# Altium PCB UPS电路3.PcbDoc (continued)
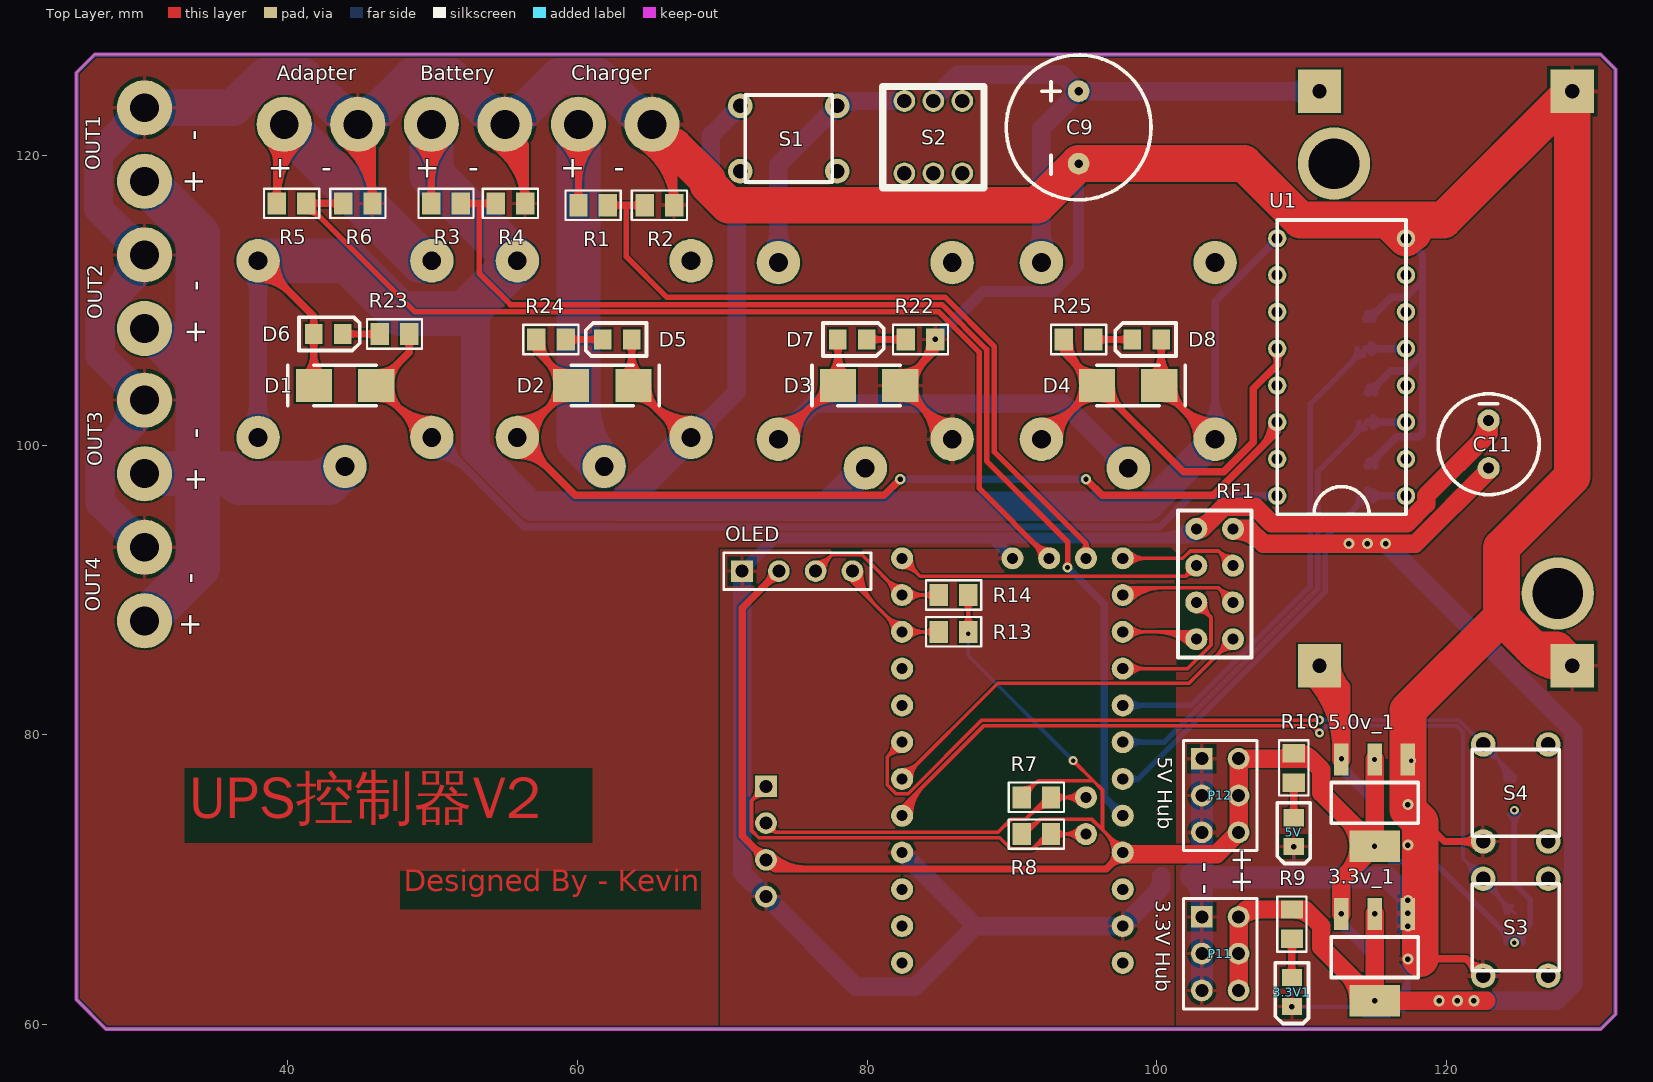
[diagram p0: Top Layer view]
## Nets (pads, with @x,y where several pads share a name; then routed paths per layer and width w, separated by ;. In a path a pad name is that pad's centre, name@x,y a point inside that pad or via, vN(x,y) a via of type N, cw(c..) or ccw(c..) an arc to the next point about the centre after c; other vN are vias at no path point) (continued)
  Top Layer w2.54: 66.675,120.65 69,118.325 69,118.013 70.427,116.586 91.741,116.586 C9.2 106.045,119.46 109.942,115.563 115.958,115.563 ; 115.705,115.563 cw(c115.705,112.784) 117.67,114.749 ; 116.772,114.749 cw(c118.737,112.784) 118.737,115.563 ; U1.8 115.958,115.563 ; 118.209,64.544 118.209,73.99 117.362,74.837 117.362,75.17 5.0v_1.1 117.362,81.703 123.817,88.158 ; 125.74,86.234 ccw(c128.715,89.209) M1.4@128.715,85.002 ; M1.4@128.528,84.637 ccw(c126.1,82.874) 126.1,85.875 ; M1.4@128.684,85 cw(c128.276,88.051) 126.1,85.875 ; M1.4 127.612,85.875 126.1,85.875 ; 115.958,115.563 cw(c115.958,113.344) 117.727,114.683 ccw(c115.958,113.344) 115.958,115.563 ; 115.958,115.563 119.817,115.563 M1.2 128.714,97.853 123.817,92.956 123.817,88.158 ; 123.817,88.158 126.1,85.875
  Bottom Layer w0.254: v1@109.294,72.083 cw(c108.861,71.65) 109.474,71.65 cw(c110.087,71.65) v1@109.654,72.083 ; v1(109.347,61.214) 113.687,61.214 114.322,60.579 116.078,60.579 ; 109.474,70.168 v1(109.474,72.263) ; v1@109.527,61.034 cw(c109.96,60.601) 109.96,61.214 cw(c109.96,61.827) v1@109.527,61.394 ; 116.317,60.818 ccw(c115.666,61.468) C10.1@116.586,61.468 ; C10.1@116.483,60.984 cw(c117.042,60.425) C10.1@117.081,61.214 ; C10.1@117.069,60.961 ccw(c117.003,59.654) 116.078,60.579 ; C10.1 116.078,60.579
  Bottom Layer w0.381: C10.1@116.78,62.036 ccw(c115.408,63.408) 117.348,63.408 ; C3.1@117.034,64.075 cw(c116.275,63.316) 117.348,63.316 cw(c118.421,63.316) C3.1@117.662,64.075 ; C10.1@117.049,61.767 ccw(c116.327,62.489) 117.348,62.489 ; C3.1@117.213,64.381 cw(c116.888,64.056) 117.348,64.056 cw(c117.808,64.056) C3.1@117.483,64.381 ; C10.1@117.348,61.849 v1(117.348,64.516)
  Bottom Layer w0.508: R18.1 114.681,108.712 116.205,110.236 117.221,110.236 118.364,111.379 ; R16.1 116.586,100.584 118.11,100.584 118.364,100.838 118.364,106.299 ; R17.1 114.681,103.632 116.205,105.156 117.221,105.156 118.364,106.299 ; R18.1@114.554,109.093 ccw(c114.554,110.319) 115.421,109.452 ; R16.1@114.681,98.933 ccw(c114.681,99.546) R16.1@115.115,99.113 ; R17.1@114.681,104.013 ccw(c114.681,104.933) 115.331,104.282 ccw(c115.982,103.632) R17.1@115.062,103.632 ; R18.1@114.935,108.712 cw(c115.548,108.712) R18.1@115.115,109.146 ; R16.1@115.062,98.552 cw(c116.288,98.552) 115.421,99.419 ; U1.8@117.221,113.919 cw(c117.221,112.999) 117.871,113.65 cw(c118.522,114.3) U1.8@117.602,114.3 ; U1.8 118.364,113.157 118.364,111.379 ; 118.364,106.299 118.364,111.379
  Bottom Layer w0.762: v1(84.709,107.315) 88.011,110.617 92.876,110.617 94.615,112.356 C9.2 ; C9.2@94.354,119.199 cw(c93.724,118.569) 94.615,118.569 cw(c95.506,118.569) C9.2@94.876,119.199
  Bottom Layer w1.524: R0.1@102.385,70.356 cw(c102.219,69.466) 103.124,69.466 ; R0.1@102.425,70.168 103.124,70.168 ; R0.1@102.452,70.194 cw(c100.829,68.571) 103.124,68.571 ; R0.1@102.452,70.268 ccw(c100.829,71.891) 103.124,71.891 ; P11.5 P11.3 P11.1 103.124,70.168 ; P12.1 P12.3 P12.5 103.124,70.168 ; C5.2@117.243,68.864 cw(c116.07,67.691) C5.2@117.729,67.691 ; v1(117.348,66.802) v1(117.348,67.691) v1(117.348,68.58) C5.2@117.348,68.759 ; C5.2@117.726,67.64 ccw(c116.407,67.819) C5.2@117.348,68.759 ; 103.124,70.168 109.474,70.168 115.94,70.168 C5.2@117.348,68.759
  Bottom Layer w2.032: 28.037,100.293 ccw(c25.206,103.124) 29.21,103.124 ccw(c27.064,103.124) 28.581,104.642 ccw(c30.099,106.159) P4.2@30.099,104.013 ; 28.037,110.326 ccw(c25.206,113.157) 29.21,113.157 ccw(c27.064,113.157) 28.581,114.675 ccw(c30.099,116.192) P6.2@30.099,114.046 ; P3.2@29.21,92.964 ccw(c27.064,92.964) 28.581,94.482 ccw(c30.099,95.999) P3.2@30.099,93.853 ; P7.2@29.21,123.317 cw(c27.064,123.317) 28.581,121.799 cw(c30.099,120.282) P7.2@30.099,122.428 ; P3.2 27.051,96.012 27.051,99.307 30.099,102.355 P4.2 27.051,106.172 27.051,109.34 30.099,112.388 P6.2 26.924,116.332 26.924,120.142 P7.2
  Bottom Layer w2.54: P7.2 36.224,123.317 38.383,125.476 41.119,125.476 44.421,122.174 P1.2 45.241,122.174 48.543,125.476 51.279,125.476 54.581,122.174 BT1.2 55.401,122.174 58.703,125.476 61.439,125.476 64.741,122.174 P2.2 ; 43.047,123.548 ccw(c44.831,125.333) 44.831,122.809 ccw(c44.831,125.332) 46.615,123.548 ; 53.207,123.548 ccw(c54.991,125.333) 54.991,122.809 ccw(c54.991,125.332) 56.775,123.548 ; 63.367,123.548 ccw(c65.151,125.333) P2.2@65.151,122.809
  other v1: 117.348,72.39
  other v2: 117.602,78.232
K1: MCU.5 R11.2 S3.2 | length 75.8
  Top Layer w0.254: MCU.5@82.296,74.422 cw(c83.352,74.422) 82.605,75.169 ; MCU.5 82.423,74.986 88.082,80.645 110.744,80.645 v2(111.252,80.137) ; MCU.5@82.55,74.422 cw(c84.219,74.422) 83.039,75.602 ; MCU.5@82.804,74.422 cw(c85.086,74.422) 83.472,76.036 ; MCU.5@83.058,74.422 cw(c85.953,74.422) 83.906,76.469 ; v2@111.074,80.137 ccw(c110.645,80.137) 110.948,80.441 ccw(c111.252,80.744) v2@111.252,80.315
  Bottom Layer w0.254: v2(111.252,80.137) 111.76,80.645 120.715,80.645 121.158,80.202 121.158,71.47 S3.2 122.555,69.85 R11.2 ; v2@111.252,80.315 ccw(c111.252,80.744) 111.556,80.441 ccw(c111.859,80.137) v2@111.43,80.137 ; S3.2@121.832,70.073 ccw(c120.087,70.073) 121.321,71.307 ccw(c122.555,72.541) S3.2@122.555,70.796 ; S3.2@122.086,70.073 ccw(c120.954,70.073) 121.754,70.874 ccw(c122.555,71.674) S3.2@122.555,70.542 ; S3.2@122.555,69.35 cw(c122.555,68.143) 123.409,68.996 ; S3.2@122.77,70.073 ccw(c123.827,70.073) 123.08,69.325 ; S3.2@123.024,70.073 ccw(c124.695,70.073) 123.513,68.892 ; S3.2@123.278,70.073 ccw(c125.562,70.073) 123.947,68.458 ; 123.63,68.775 cw(c122.546,67.691) R11.2@124.079,67.691 ; 123.937,68.468 ccw(c124.587,69.119) R11.2@124.587,68.199 ; 124.064,68.341 cw(c123.413,67.691) R11.2@124.333,67.691
K2: MCU.7 R12.2 S4.2 | length 64.5
  Top Layer w0.254: MCU.7@81.789,79.472 cw(c80.482,79.411) 81.407,78.486 ; MCU.7@82.042,79.484 cw(c81.259,79.447) 81.813,78.892 cw(c82.368,78.338) MCU.7@82.405,79.121 ; MCU.7@82.393,78.868 ccw(c82.332,77.561) 81.407,78.486 ; MCU.7 81.407,78.486 ; v2@111.126,80.9 ccw(c110.823,80.597) 110.823,81.026 ccw(c110.823,81.455) v2@111.126,81.152 ; v2(111.252,81.026) 87.924,81.026 82.844,75.946 82.002,75.946 81.407,76.541 81.407,78.486
  Bottom Layer w0.254: v2(111.252,81.026) 120.873,81.026 S4.2 124.714,77.185 R12.2 ; v2@111.378,80.9 cw(c111.681,80.597) 111.681,81.026 cw(c111.681,81.455) v2@111.378,81.152 ; S4.2@122.555,78.621 cw(c122.555,76.876) 123.789,78.11 cw(c125.023,79.344) S4.2@123.278,79.344 ; S4.2@122.555,78.875 cw(c122.555,77.743) 123.356,78.543 cw(c124.156,79.344) S4.2@123.024,79.344 ; 123.383,78.516 cw(c121.701,76.835) R12.2@124.079,76.835 ; 123.816,78.083 cw(c122.568,76.835) R12.2@124.333,76.835 ; 124.25,77.649 cw(c123.435,76.835) R12.2@124.587,76.835
Net3.3V1_1: 3.3V1.1 R9.1 | length 5.4
  Top Layer w0.508: R9.1@109.078,65.644 cw(c108.427,64.993) 109.347,64.993 cw(c110.267,64.993) R9.1@109.616,65.644 ; 3.3V1.1@109.102,63.491 ccw(c108.512,64.081) 109.347,64.081 ccw(c110.182,64.081) 3.3V1.1@109.592,63.491 ; 3.3V1.1 R9.1
Net5V_1: 5V.1 R10.1 | length 5.2
  Top Layer w0.508: R10.1@109.205,76.439 cw(c108.554,75.788) 109.474,75.788 cw(c110.394,75.788) R10.1@109.743,76.439 ; 5V.1@109.229,74.54 ccw(c108.639,75.13) 109.474,75.13 ccw(c110.309,75.13) 5V.1@109.719,74.54 ; 5V.1 R10.1
NetD3_2: D3.2 D7.1 K3.5 K4.1 | length 59.3
  Top Layer w0.508: K3.5 77.598,104.14 D3.2 77.996,107.297 D7.1 ; K3.5@73.883,101.163 ccw(c73.883,102.945) 75.143,101.685 ccw(c76.403,100.425) K3.5@74.621,100.425 ; K3.5@73.883,101.671 ccw(c73.883,104.679) 76.01,102.552 ccw(c78.137,100.425) K3.5@75.129,100.425 ; 75.858,102.4 cw(c77.896,100.361) D3.2@77.896,103.244 ; 76.577,103.119 ccw(c75.556,104.14) D3.2@77,104.14 ; 76.725,103.267 cw(c77.896,102.096) D3.2@77.896,103.752 ; D3.2@77.362,104.774 ccw(c75.833,106.303) 77.996,106.303 ccw(c80.159,106.303) D3.2@78.63,104.774 ; D7.1@77.733,106.97 cw(c77.099,106.336) 77.996,106.336 ; 77.996,106.423 cw(c78.77,106.423) D7.1@78.223,106.97
  Bottom Layer w1.27: K3.5 76.328,102.87 93.599,102.87 K4.1 ; K3.5@73.883,101.29 ccw(c73.883,103.378) 75.36,101.902 ccw(c76.836,100.425) K3.5@74.748,100.425 ; K4.1@97.179,98.425 ccw(c95.091,98.425) 96.567,99.902 ccw(c98.044,101.378) K4.1@98.044,99.29
NetD5_2: D5.2 R24.1 | length 5.3
  Top Layer w0.508: R24.1 D5.2 ; R24.1@59.451,107.046 cw(c60.102,106.395) 60.102,107.315 cw(c60.102,108.235) R24.1@59.451,107.584 ; D5.2@61.509,107.07 ccw(c60.919,106.48) 60.919,107.315 ccw(c60.919,108.15) D5.2@61.509,107.56
NetD6_2: D6.2 R23.2 | length 5.3
  Top Layer w0.508: D6.2 R23.2 ; D6.2@44.028,107.451 cw(c44.618,106.861) 44.618,107.696 cw(c44.618,108.531) D6.2@44.028,107.941 ; R23.2@46.086,107.427 ccw(c45.435,106.776) 45.435,107.696 ccw(c45.435,108.616) R23.2@46.086,107.965
NetD7_2: D7.2 R22.1 | length 5.5
  Top Layer w0.508: D7.2 R22.1 ; D7.2@80.223,107.07 cw(c80.813,106.48) 80.813,107.315 cw(c80.813,108.15) D7.2@80.223,107.56 ; R22.1@82.408,107.046 ccw(c81.757,106.395) 81.757,107.315 ccw(c81.757,108.235) R22.1@82.408,107.584
NetD8_2: D8.2 R25.1 | length 5.5
  Top Layer w0.508: R25.1 D8.2 ; R25.1@95.9,107.046 cw(c96.551,106.395) 96.551,107.315 cw(c96.551,108.235) R25.1@95.9,107.584 ; D8.2@98.085,107.07 ccw(c97.495,106.48) 97.495,107.315 ccw(c97.495,108.15) D8.2@98.085,107.56
NetK3_3: K3.3 S1.2 S2.1 | length 21.9
  Bottom Layer w1.27: K3.3@73.271,113.237 ccw(c71.795,114.713) 73.883,114.713 ccw(c75.971,114.713) K3.3@74.495,113.237 ; K3.3 73.883,119.38 S1.2 78.288,123.785 S2.1 ; S1.2@78.099,123.292 cw(c79.289,122.102) 79.289,123.785
NRF_CE: MCU.12 RF1.3 | length 26.2
  Top Layer w0.254: MCU.12@82.423,91.567 cw(c82.423,90.034) 83.507,91.118 cw(c84.591,92.202) MCU.12@83.058,92.202 ; MCU.12@82.423,91.821 cw(c82.423,90.901) 83.073,91.552 cw(c83.724,92.202) MCU.12@82.804,92.202 ; MCU.12 83.668,90.957 102.006,90.957 ; RF1.3@102.138,91.501 cw(c101.627,91.337) 102.006,90.957 ; RF1.3@102.55,91.089 ccw(c102.386,90.578) 102.006,90.957 ; RF1.3 102.006,90.957
NRF_CSN: MCU.13 RF1.4 | length 15.6
  Top Layer w0.254: MCU.13 101.814,92.202 102.322,92.71 104.267,92.71 ; MCU.13@97.932,91.933 cw(c98.583,91.282) 98.583,92.202 cw(c98.583,93.122) MCU.13@97.932,92.471 ; MCU.13@98.112,91.753 cw(c99.196,90.669) 99.196,92.202 cw(c99.196,93.735) MCU.13@98.112,92.651 ; RF1.4@104.649,91.724 ccw(c103.342,91.785) 104.267,92.71 ; RF1.4@104.902,91.712 ccw(c104.119,91.749) 104.673,92.304 ccw(c105.228,92.858) RF1.4@105.265,92.075 ; RF1.4@105.253,92.328 cw(c105.192,93.635) 104.267,92.71 ; RF1.4 104.267,92.71
NRF_IRQ: MCU.6 RF1.8 | length 34.6
  Top Layer w0.254: MCU.6 89.027,83.566 102.235,83.566 RF1.8 ; MCU.6@82.423,77.343 ccw(c82.423,78.263) 83.073,77.612 ccw(c83.724,76.962) MCU.6@82.804,76.962 ; MCU.6@82.423,77.597 ccw(c82.423,79.13) 83.507,78.046 ccw(c84.591,76.962) MCU.6@83.058,76.962 ; RF1.8@104.648,86.614 cw(c103.115,86.614) 104.199,85.53 cw(c105.283,84.446) RF1.8@105.283,85.979 ; RF1.8@104.902,86.614 cw(c103.982,86.614) 104.633,85.964 cw(c105.283,85.313) RF1.8@105.283,86.233
NRF_MISO: MCU.15 RF1.7 | length 15.8
  Top Layer w0.254: MCU.15 RF1.7@102.235,87.122 ; MCU.15@97.932,86.853 cw(c98.583,86.202) 98.583,87.122 cw(c98.583,88.042) MCU.15@97.932,87.391 ; MCU.15@98.112,86.673 cw(c99.196,85.589) 99.196,87.122 cw(c99.196,88.655) MCU.15@98.112,87.571 ; 99.984,87.122 cw(c99.984,83.855) RF1.7@102.294,86.165 ; 100.597,87.122 cw(c100.597,84.468) RF1.7@102.474,86.345 ; 101.21,87.122 cw(c101.21,85.081) RF1.7@102.653,86.524 ; 101.823,87.122 cw(c101.823,85.694) RF1.7@102.833,86.704
NRF_MOSI: MCU.14 RF1.6 | length 19.1
  Top Layer w0.254: MCU.14@97.573,89.752 cw(c98.583,88.742) 98.583,90.17 ; MCU.14 98.171,90.17 104.267,90.17 ; MCU.14@97.753,89.572 cw(c99.196,88.129) 99.196,90.17 ; MCU.14@97.932,89.393 cw(c99.809,87.516) 99.809,90.17 ; MCU.14@98.112,89.213 cw(c100.422,86.903) 100.422,90.17 ; RF1.6@104.649,89.184 ccw(c103.342,89.245) 104.267,90.17 ; RF1.6@104.902,89.172 ccw(c104.119,89.209) 104.673,89.764 ccw(c105.228,90.318) RF1.6@105.265,89.535 ; RF1.6@105.253,89.788 cw(c105.192,91.095) 104.267,90.17 ; RF1.6 104.267,90.17
NRF_SCK: MCU.16 RF1.5 | length 17.5
  Top Layer w0.254: MCU.16 102.148,84.582 103.759,86.193 103.759,88.138 ; MCU.16@97.932,84.313 cw(c98.583,83.662) 98.583,84.582 cw(c98.583,85.502) MCU.16@97.932,84.851 ; MCU.16@98.112,84.133 cw(c99.196,83.049) 99.196,84.582 cw(c99.196,86.115) MCU.16@98.112,85.031 ; RF1.5 103.759,88.138 ; RF1.5@102.761,88.773 cw(c102.798,87.989) 103.353,88.544 cw(c103.907,89.099) RF1.5@103.124,89.136 ; RF1.5@102.773,88.52 cw(c102.834,87.213) 103.759,88.138 ; RF1.5@103.377,89.124 ccw(c104.684,89.063) 103.759,88.138
OLED_SCL: MCU.11 OLED.3 R14.1 | length 23.5
  Top Layer w0.254: OLED.3 77.597,92.456 79.629,92.456 MCU.11 R14.1 ; OLED.3@76.454,91.682 ccw(c76.454,92.573) 77.084,91.943 ccw(c77.714,91.313) OLED.3@76.823,91.313 ; OLED.3@76.454,91.936 ccw(c76.454,93.44) 77.518,92.377 ccw(c78.581,91.313) OLED.3@77.077,91.313 ; MCU.11@81.788,89.662 ccw(c80.255,89.662) 81.339,90.746 ccw(c82.423,91.83) MCU.11@82.423,90.297 ; MCU.11@82.042,89.662 ccw(c81.122,89.662) 81.773,90.312 ccw(c82.423,90.963) MCU.11@82.423,90.043 ; MCU.11@82.692,89.393 cw(c83.343,88.742) 83.343,89.662 cw(c83.343,90.582) MCU.11@82.692,89.931 ; MCU.11@82.872,89.213 cw(c83.956,88.129) 83.956,89.662 cw(c83.956,91.195) MCU.11@82.872,90.111 ; R14.1@84.604,89.303 ccw(c83.737,88.436) 83.737,89.662 ccw(c83.737,90.888) R14.1@84.604,90.021
OLED_SDA: MCU.10 OLED.4 R13.1 | length 25.8
  Top Layer w0.254: OLED.4@78.855,91.313 ccw(c80.359,91.313) 79.296,90.249 ; OLED.4@78.87,90.702 cw(c78.84,90.551) 78.994,90.551 ; OLED.4 78.994,90.551 ; OLED.4@79.109,91.313 ccw(c81.226,91.313) 79.729,89.816 ; OLED.4@79.118,90.702 ccw(c79.148,90.551) 78.994,90.551 ; OLED.4@79.363,91.313 ccw(c82.093,91.313) 80.163,89.382 ; OLED.4@79.617,91.313 ccw(c82.961,91.313) 80.596,88.949 ; MCU.10@81.788,87.122 ccw(c80.255,87.122) 81.339,88.206 ccw(c82.423,89.29) MCU.10@82.423,87.757 ; MCU.10@82.042,87.122 ccw(c81.122,87.122) 81.773,87.772 ccw(c82.423,88.423) MCU.10@82.423,87.503 ; MCU.10@82.692,86.853 cw(c83.343,86.202) 83.343,87.122 cw(c83.343,88.042) MCU.10@82.692,87.391 ; MCU.10@82.872,86.673 cw(c83.956,85.589) 83.956,87.122 cw(c83.956,88.655) MCU.10@82.872,87.571 ; R13.1@84.604,86.763 ccw(c83.737,85.896) 83.737,87.122 ccw(c83.737,88.348) R13.1@84.604,87.481 ; R13.1 MCU.10 78.994,90.551
PAYLOAD: K1.1 P3.1 P4.1 P6.1 P7.1 | length 56.1
  Bottom Layer w3.048: P3.1 33.782,91.567 33.782,98.044 ; P4.1 33.782,98.044 ; P6.1 30.48,108.077 33.782,104.775 ; P7.1 33.782,114.554 33.782,104.775 ; 41.221,97.401 ccw(c41.221,101.273) K1.1@43.959,98.535 ; K1.1 42.791,97.401 36.637,97.401 35.994,98.044 33.782,98.044 ; 33.782,98.044 33.782,104.775
RELAY1: D1.1 K1.4 R23.1 U1.16 | length 94.5
  Top Layer w0.508: D1.1@46.201,103.244 cw(c46.201,101.322) 47.56,102.681 ; D1.1@46.201,105.036 ccw(c46.201,106.958) 47.56,105.599 ; 47.383,102.858 ccw(c49.942,105.417) K1.4@49.942,101.798 ; 47.801,102.44 cw(c49.502,104.14) 47.097,104.14 cw(c49.502,104.14) 47.801,105.84 ; 47.994,102.247 cw(c46.299,100.552) K1.4@48.696,100.552 ; R23.1@48.118,107.3 cw(c47.467,106.649) 48.387,106.649 cw(c49.307,106.649) R23.1@48.656,107.3 ; 48.25,101.991 ccw(c49.942,103.682) K1.4@49.942,101.29 ; R23.1 48.387,106.426 D1.1 49.689,100.552 K1.4
  Bottom Layer w0.508: K1.4@49.942,99.306 cw(c49.942,95.831) 52.4,98.288 ; K1.4@49.942,99.814 cw(c49.942,97.565) 51.532,99.155 ; K1.4 50.136,100.552 56.303,94.385 62.525,94.385 62.549,94.361 100.203,94.361 102.362,96.52 U1.16 ; K1.4@51.188,100.552 ccw(c53.729,100.552) 51.932,98.755 ; U1.16@108.062,96.251 ccw(c107.411,95.6) 107.411,96.52 ccw(c107.411,97.44) U1.16@108.062,96.789
RELAY2: D2.1 K2.5 R24.2 U1.14 | length 94.5
  Top Layer w0.508: K2.5@55.849,99.306 cw(c55.849,96.298) 57.976,98.425 cw(c60.103,100.552) 57.095,100.552 cw(c59.799,100.552) 57.887,102.464 ; K2.5@55.849,99.814 cw(c55.849,98.032) 57.109,99.292 cw(c58.369,100.552) 56.587,100.552 cw(c58.064,100.552) 57.02,101.597 ; K2.5@55.849,101.29 ccw(c55.849,103.376) 57.324,101.901 ; K2.5@55.849,101.798 ccw(c55.849,105.11) 58.191,102.768 ; R24.2@57.023,107.188 ccw(c58.249,107.188) 57.382,106.321 ; R24.2 57.15,106.553 D2.1 55.975,100.552 K2.5 59.857,96.544 81.177,96.544 v3(82.296,97.663) ; R24.2@57.531,107.188 ccw(c59.984,107.188) 58.249,105.454 ; 57.863,102.44 ccw(c56.162,104.14) 58.567,104.14 ccw(c56.162,104.14) 57.863,105.84 ; 58.104,102.681 cw(c59.463,101.322) D2.1@59.463,103.244 ; 58.104,105.599 ccw(c59.463,106.958) D2.1@59.463,105.036 ; v3(95.123,97.663) 96.242,96.544 103.91,96.544 108.331,100.965 U1.14 ; 107.232,99.866 ccw(c105.497,101.6) U1.14@107.95,101.6 ; 108.099,100.733 ccw(c107.232,101.6) U1.14@108.458,101.6
  Bottom Layer w0.508: v3(82.296,97.663) v3(95.123,97.663)
RELAY3: D4.1 K4.5 R25.2 U1.12 | length 54.4
  Top Layer w0.508: K4.5 92.17,100.425 D4.1 ; K4.5@92.044,101.163 ccw(c92.044,103.249) 93.519,101.774 ; K4.5@92.044,101.671 ccw(c92.044,104.983) 94.386,102.641 ; K4.5@92.782,100.425 cw(c94.259,100.425) 93.215,101.47 ; K4.5@93.29,100.425 cw(c95.994,100.425) 94.082,102.337 ; R25.2@93.37,106.883 cw(c93.028,106.426) 93.599,106.426 ; R25.2@93.472,107.188 ccw(c95.005,107.188) 93.921,106.104 ; R25.2 93.599,106.426 ; R25.2@93.828,106.883 ccw(c94.17,106.426) 93.599,106.426 ; R25.2@93.98,107.188 ccw(c96.739,107.188) D4.1@94.788,105.237 ; 94.185,102.44 ccw(c92.484,104.14) 94.889,104.14 ccw(c92.484,104.14) 94.185,105.84 ; 94.426,102.681 cw(c95.785,101.322) D4.1@95.785,103.244 ; 94.426,105.599 ccw(c95.785,106.958) D4.1@95.785,105.036 ; D4.1@95.985,103.244 cw(c95.985,101.322) 97.344,102.681 ; D4.1@96.881,104.14 ccw(c99.286,104.14) 97.585,102.44 ; U1.12@108.062,106.411 cw(c107.411,105.76) 108.331,105.76 cw(c109.251,105.76) U1.12@108.6,106.411 ; U1.12 108.331,105.577 106.68,103.926 106.68,100.212 104.639,98.171 101.854,98.171 D4.1 ; 93.599,106.426 D4.1
RLYCTRL1: MCU.19 R16.2 U1.1 | length 35.9
  Bottom Layer w0.381: MCU.19 98.719,76.962 ; MCU.19@98.142,76.65 cw(c98.719,76.272) 98.719,76.962 ; MCU.19@98.142,77.274 ccw(c98.719,77.652) 98.719,76.962 ; 113.578,95.544 ccw(c112.603,96.52) R16.2@113.983,96.52 ; 113.885,95.851 cw(c114.427,95.309) R16.2@114.427,96.076 ; R16.2 111.633,93.599 111.633,89.876 98.719,76.962
  Bottom Layer w0.508: R16.2@114.554,96.901 114.935,96.52 U1.1 ; R16.2@114.95,96.251 cw(c115.601,95.6) 115.601,96.52 cw(c115.601,97.44) R16.2@114.95,96.789 ; U1.1@116.952,96.251 ccw(c116.301,95.6) 116.301,96.52 ccw(c116.301,97.44) U1.1@116.952,96.789
RLYCTRL2: MCU.18 R17.2 U1.3 | length 40.2
  Bottom Layer w0.381: MCU.18 100.54,79.502 111.125,90.087 111.125,98.171 R17.2 ; MCU.18@98.067,79.098 cw(c99.043,78.122) 99.043,79.502 cw(c99.043,80.882) MCU.18@98.067,79.906 ; 113.578,100.624 ccw(c112.603,101.6) R17.2@113.983,101.6 ; 113.885,100.931 cw(c114.427,100.389) R17.2@114.427,101.156
  Bottom Layer w0.508: R17.2 U1.3 ; R17.2@114.95,101.331 cw(c115.601,100.68) 115.601,101.6 cw(c115.601,102.52) R17.2@114.95,101.869 ; U1.3@116.952,101.331 ccw(c116.301,100.68) 116.301,101.6 ccw(c116.301,102.52) U1.3@116.952,101.869
RLYCTRL3: MCU.17 R18.2 U1.5 | length 43.9
  Bottom Layer w0.381: MCU.17 102.362,82.042 110.617,90.297 110.617,102.87 R18.2 ; MCU.17@98.067,81.638 cw(c99.043,80.662) 99.043,82.042 cw(c99.043,83.422) MCU.17@98.067,82.446 ; 113.451,105.704 ccw(c112.476,106.68) R18.2@113.855,106.68 ; 113.758,106.011 cw(c114.3,105.469) R18.2@114.3,106.236
  Bottom Layer w0.508: R18.2 U1.5 ; R18.2@114.823,106.411 cw(c115.474,105.76) 115.474,106.68 cw(c115.474,107.6) R18.2@114.823,106.949 ; U1.5@116.952,106.411 ccw(c116.301,105.76) 116.301,106.68 ccw(c116.301,107.6) U1.5@116.952,106.949
SAMPLE1: MCU.33 R5.2 R6.1 | length 76.2
  Top Layer w0.381: R5.2@41.275,116.141 cw(c41.275,114.762) 42.251,115.737 ; R5.2 48.768,109.22 84.963,109.22 87.757,106.426 87.757,97.028 MCU.33 ; R5.2@41.719,116.586 ccw(c42.486,116.586) 41.944,116.044 ; MCU.33@92.011,92.202 ccw(c90.632,92.202) 91.607,93.178 ccw(c92.583,94.153) MCU.33@92.583,92.773
  Top Layer w0.508: R5.2 R6.1 ; R5.2@41.544,116.444 cw(c42.195,115.793) 42.195,116.713 cw(c42.195,117.633) R5.2@41.544,116.982 ; R6.1@43.546,116.444 ccw(c42.895,115.793) 42.895,116.713 ccw(c42.895,117.633) R6.1@43.546,116.982
SAMPLE2: MCU.34 R1.2 R2.1 | length 55.5
  Top Layer w0.381: 63.373,116.586 63.373,113.03 66.167,110.236 85.384,110.236 88.773,106.847 88.773,99.568 95.123,93.218 ; MCU.34@94.826,92.69 ccw(c94.506,93.218) 95.123,93.218 ; MCU.34 95.123,93.218 ; MCU.34@95.42,92.69 cw(c95.74,93.218) 95.123,93.218
  Top Layer w0.508: R1.2 63.373,116.586 R2.1 ; R1.2@62.372,116.317 cw(c63.023,115.666) 63.023,116.586 cw(c63.023,117.506) R1.2@62.372,116.855 ; R2.1@64.374,116.317 ccw(c63.723,115.666) 63.723,116.586 ccw(c63.723,117.506) R2.1@64.374,116.855
SAMPLE3: MCU.20 R3.2 R4.1 | length 86
  Top Layer w0.381: 53.213,116.713 53.213,111.887 55.372,109.728 85.173,109.728 88.265,106.636 88.265,98.933 93.853,93.345 v3(93.853,91.567) ; v3@93.736,91.684 ccw(c93.454,91.966) 93.853,91.966 ccw(c94.252,91.966) v3@93.97,91.684
  Top Layer w0.508: R3.2 53.213,116.713 R4.1 ; R3.2@52.212,116.444 cw(c52.863,115.793) 52.863,116.713 cw(c52.863,117.633) R3.2@52.212,116.982 ; R4.1@54.087,116.444 ccw(c53.436,115.793) 53.436,116.713 ccw(c53.436,117.633) R4.1@54.087,116.982
  Bottom Layer w0.508: v3(93.853,91.567) 96.393,89.027 96.393,75.692 MCU.20 ; MCU.20@97.155,74.422 ccw(c95.929,74.422) 96.796,75.289 ccw(c97.663,76.156) MCU.20@97.663,74.93
SCL: MCU.32 R8.1 RTC.1 | length 39
  Top Layer w0.254: RTC.1@72.403,76.428 cw(c71.097,76.374) 72.021,75.45 ; RTC.1@72.656,76.439 cw(c71.883,76.406) 72.43,75.859 cw(c72.977,75.312) RTC.1@73.01,76.085 ; RTC.1@72.999,75.832 ccw(c72.945,74.526) 72.021,75.45 ; RTC.1 72.021,75.45 ; 91.768,72.485 cw(c92.499,71.754) R8.1@92.668,72.774 ; R8.1@92.627,72.524 ccw(c92.4,71.155) 91.418,72.136 ; R8.1@93.069,72.793 cw(c93.936,71.926) 93.936,73.152 cw(c93.936,74.378) R8.1@93.069,73.511 ; MCU.32@94.674,72.703 ccw(c93.59,71.619) 93.59,73.152 ccw(c93.59,74.685) MCU.32@94.674,73.601 ; MCU.32@94.854,72.883 ccw(c94.203,72.232) 94.203,73.152 ccw(c94.203,74.072) MCU.32@94.854,73.421 ; MCU.32 R8.1 92.434,73.152 91.418,72.136 ; 72.021,75.45 72.021,73.394 72.517,72.898 89.176,72.898 89.938,72.136 91.418,72.136
SDA: MCU.31 R7.1 RTC.2 | length 33.8
  Top Layer w0.254: RTC.2 73.66,73.279 ; RTC.2@73.283,73.347 cw(c73.423,73.042) 73.66,73.279 ; RTC.2@73.592,73.656 ccw(c73.897,73.516) 73.66,73.279 ; 91.192,74.428 cw(c92.71,72.911) R7.1@92.71,75.057 ; 91.626,74.862 cw(c92.71,73.778) R7.1@92.71,75.311 ; 92.06,75.296 cw(c92.71,74.645) R7.1@92.71,75.565 ; R7.1@92.112,75.348 ccw(c91.895,75.565) R7.1@92.202,75.565 ; R7.1@93.069,75.333 cw(c93.936,74.466) 93.936,75.692 cw(c93.936,76.918) R7.1@93.069,76.051 ; MCU.31@94.674,75.243 ccw(c93.59,74.159) 93.59,75.692 ccw(c93.59,77.225) MCU.31@94.674,76.141 ; MCU.31@94.854,75.423 ccw(c94.203,74.772) 94.203,75.692 ccw(c94.203,76.612) MCU.31@94.854,75.961 ; MCU.31 R7.1 92.456,75.692 90.932,74.168 89.938,74.168 89.049,73.279 73.66,73.279
pads on no net: K2.2 K3.2 K4.2 M1.5 MCU.1 MCU.2 MCU.3 MCU.8 MCU.9 MCU.22 MCU.24 S1.3 S1.4 S2.3 S2.4 S3.3 S3.4 S4.3 S4.4 U1.2 U1.4 U1.6 U1.7 U1.10 U1.11 U1.13 U1.15

## Polygon pours and split planes (outlines as drawn)
DGND on Top Layer "Bottom Overlay-No Net" (solid, remove dead copper, pour order 6): 69.723,92.964 100.965,92.964 100.98,92.949 101.346,92.583 101.346,58.039 69.85,58.039 69.723,58.166
GND on Top Layer "Bottom Overlay-No Net" (solid, remove dead copper, pour order 2): 69.723,92.964 100.965,92.964 101.346,92.583 101.346,58.039 143.129,58.039 143.51,58.42 141.986,59.944 141.986,135.509 24.003,135.509 20.574,132.08 19.05,130.556 19.05,53.721 68.326,53.721 69.723,55.118
DGND on Bottom Layer "Bottom Overlay-No Net" (solid, remove dead copper, pour order 8): 69.723,92.964 69.977,93.218 100.838,93.218 101.346,92.71 101.346,58.801 69.723,58.801
GND on Bottom Layer "Bottom Overlay-No Net" (solid, remove dead copper, pour order 4): 69.723,92.964 100.965,92.964 101.346,92.583 101.346,58.039 135.128,58.039 136.271,59.182 134.239,61.214 134.239,129.794 23.622,129.794 21.59,127.762 21.336,127.508 21.336,56.261 69.723,56.261

## Keep-outs
Keep-Out Layer:
  the board outline again, w0.254

## Other copper
Top Layer:
  text "UPS控制器V2" at 33.147,73.279 h5.08
  text "Designed By - Kevin" at 48.006,68.707 h2.54

## Silkscreen, mask and mechanical layers (free items; w line width, h text height)
Top Overlay:
  text "Adapter" at 39.243,125.222 h1.02
  text "Battery" at 49.149,125.222 h1.02
  text "Charger" at 59.563,125.222 h1.02
  text "OUT1" at 27.051,118.999 h1.02 r90
  text "+   -" at 38.608,118.491 h1.52
  text "+   -" at 48.768,118.491 h1.52
  text "+   -" at 58.801,118.491 h1.52
  text "+   -" at 34.163,117.348 h1.52 r90
  text "OUT2" at 27.178,108.712 h1.02 r90
  text "+   -" at 34.29,106.934 h1.52 r90
  text "OUT3" at 27.178,98.552 h1.02 r90
  text "+   -" at 34.29,96.774 h1.52 r90
  text "OUT4" at 27.051,88.519 h1.02 r90
  text "+   -" at 33.909,86.741 h1.52 r90
  text "-" at 103.886,70.485 h1.52 r90
  text "+" at 106.553,70.485 h1.52 r90
  text "-" at 103.886,68.961 h1.52 r90
  text "+" at 106.553,68.961 h1.52 r90
Bottom Overlay:
  text "+   -" at 58.801,126.619 h1.52 r180
  text "+   -" at 48.641,126.492 h1.52 r180
  text "+   -" at 39.04,126.441 h1.52 r180
  text "JLCJLCJLCJLC" at 123.571,89.281 h1.02
Top Solder:
  text "UPS控制器V2" at 33.147,73.279 h5.08
  text "Designed By - Kevin" at 48.006,68.707 h2.54

## Text inside footprints (layer, text, board x,y; h text height)
M1: Bottom Overlay "LM2596" at 120.904,108.839 h1.02 r90